# Altium PCB NUCLEOG431RB-Custom-IN-A2212.PcbDoc (part 1 of 5)
Units mm, origin at the board's own origin, x right, y up, seen from the top; angles counter-clockwise.
Board outline 170 x 108 mm, 4 copper layers (Top Layer, POWER1, POWER2, Bottom Layer), stack 1.746 mm thick; 529 components, 254 nets, 1242 pads, 583 vias.
Unrouted connection lines stored in the file: 26.
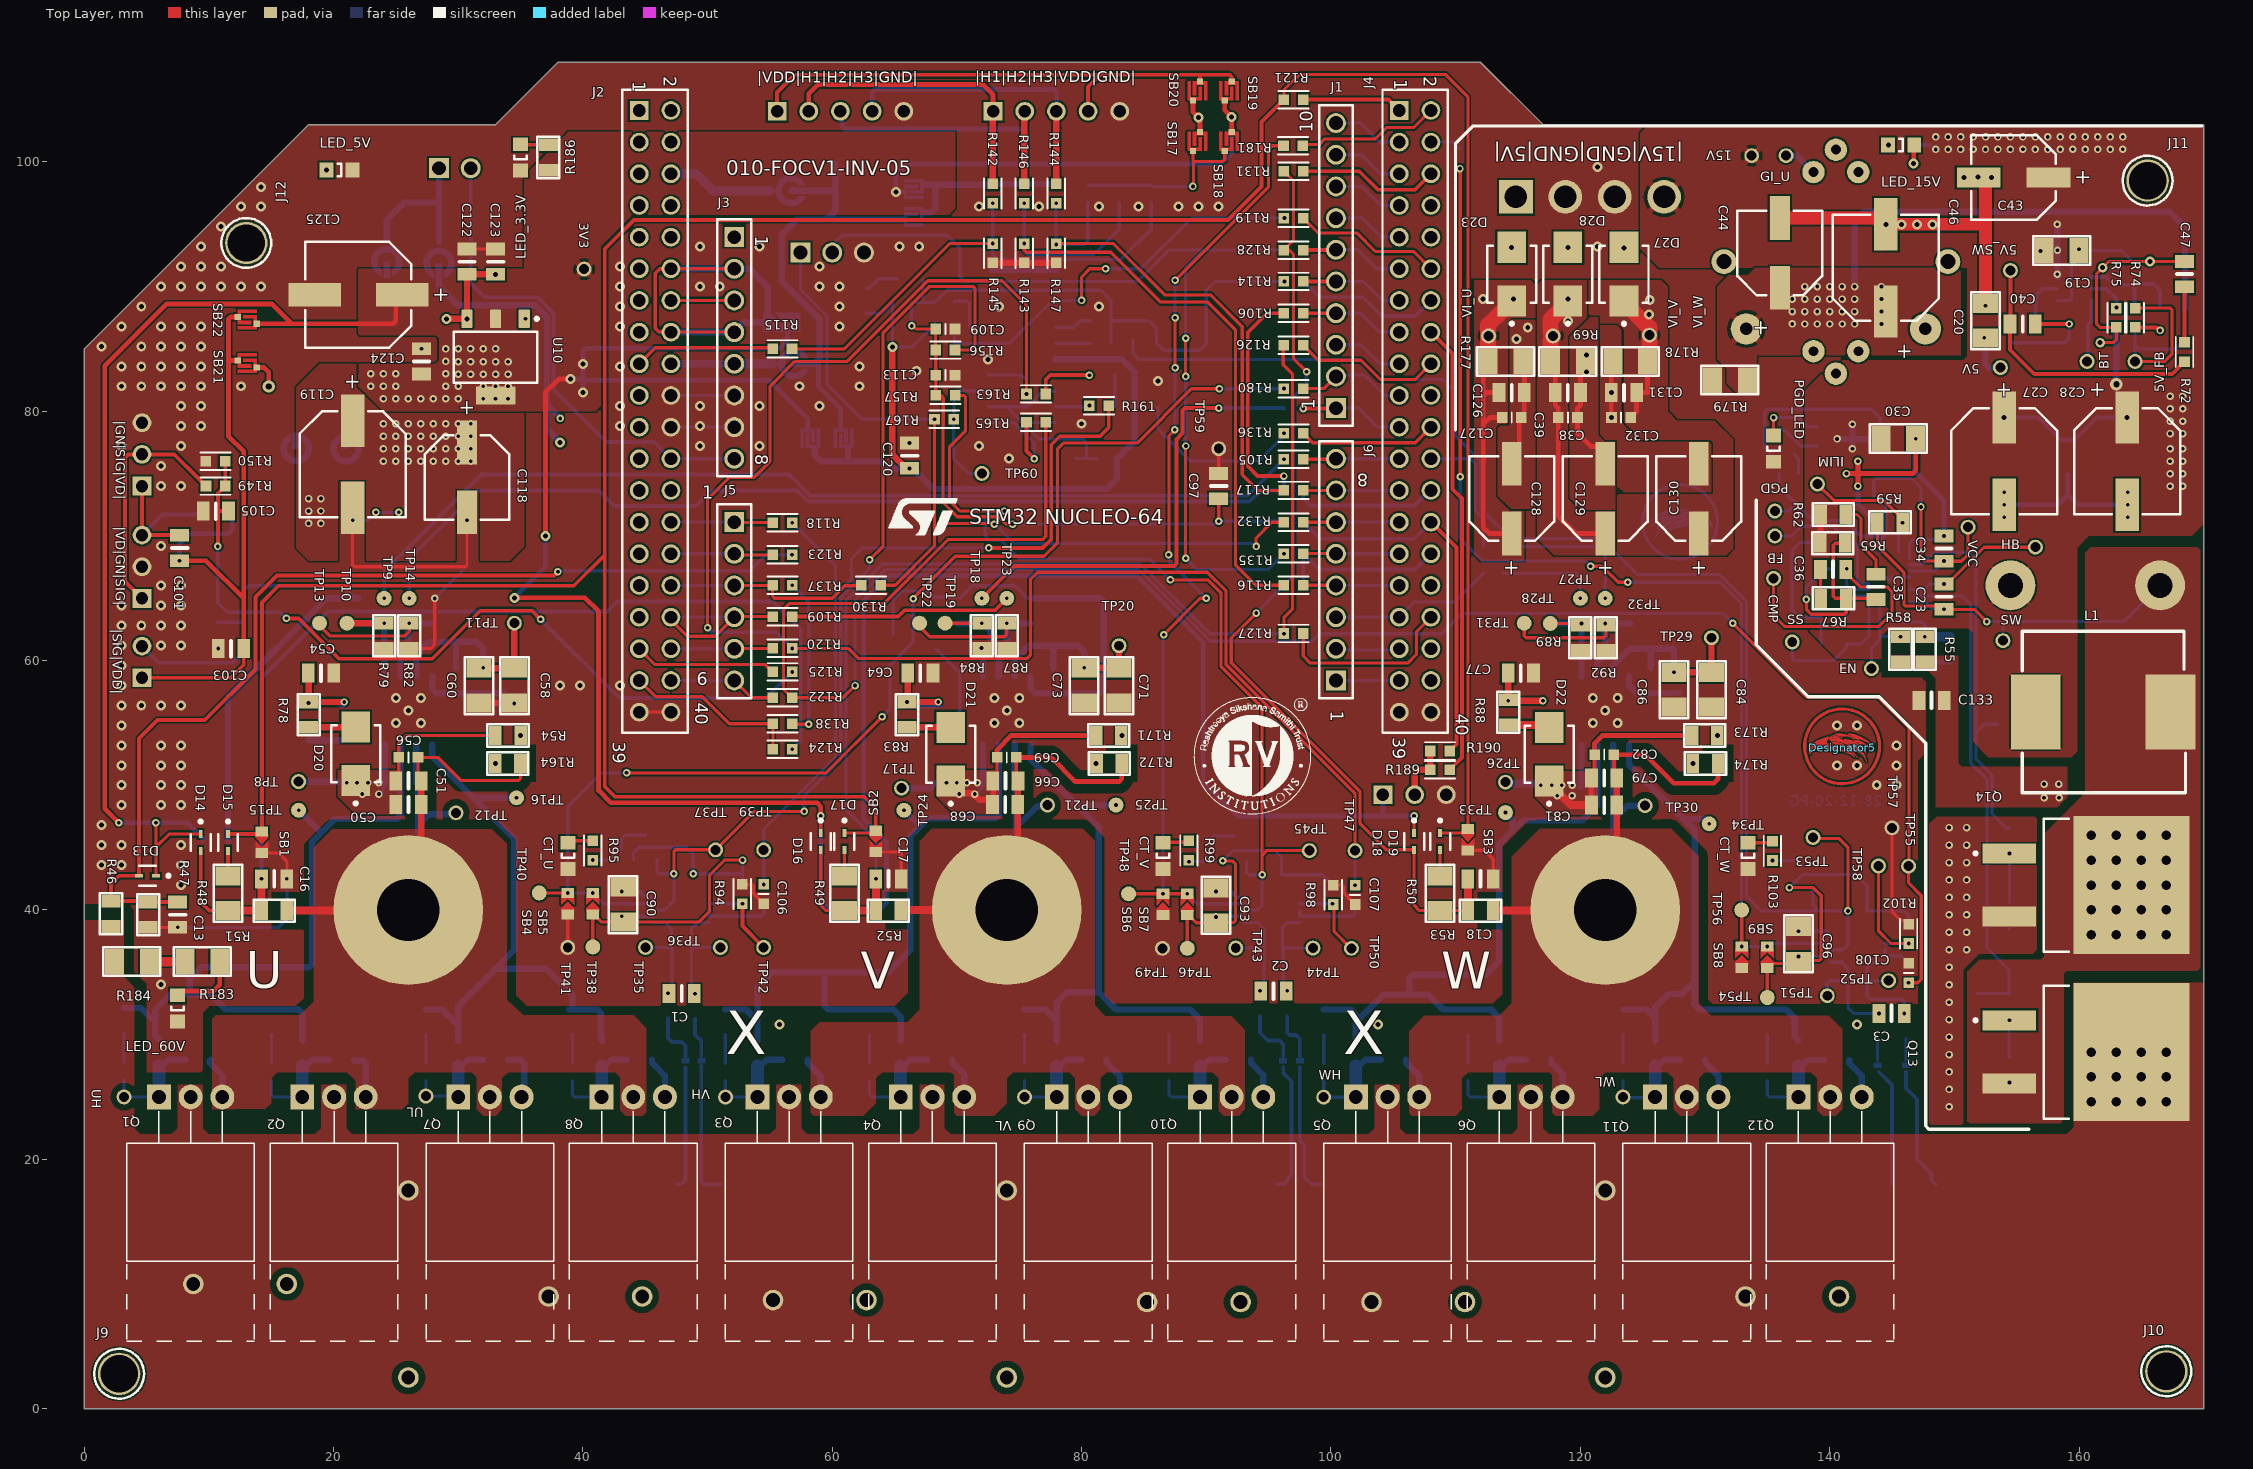
[diagram p0: Top Layer view]
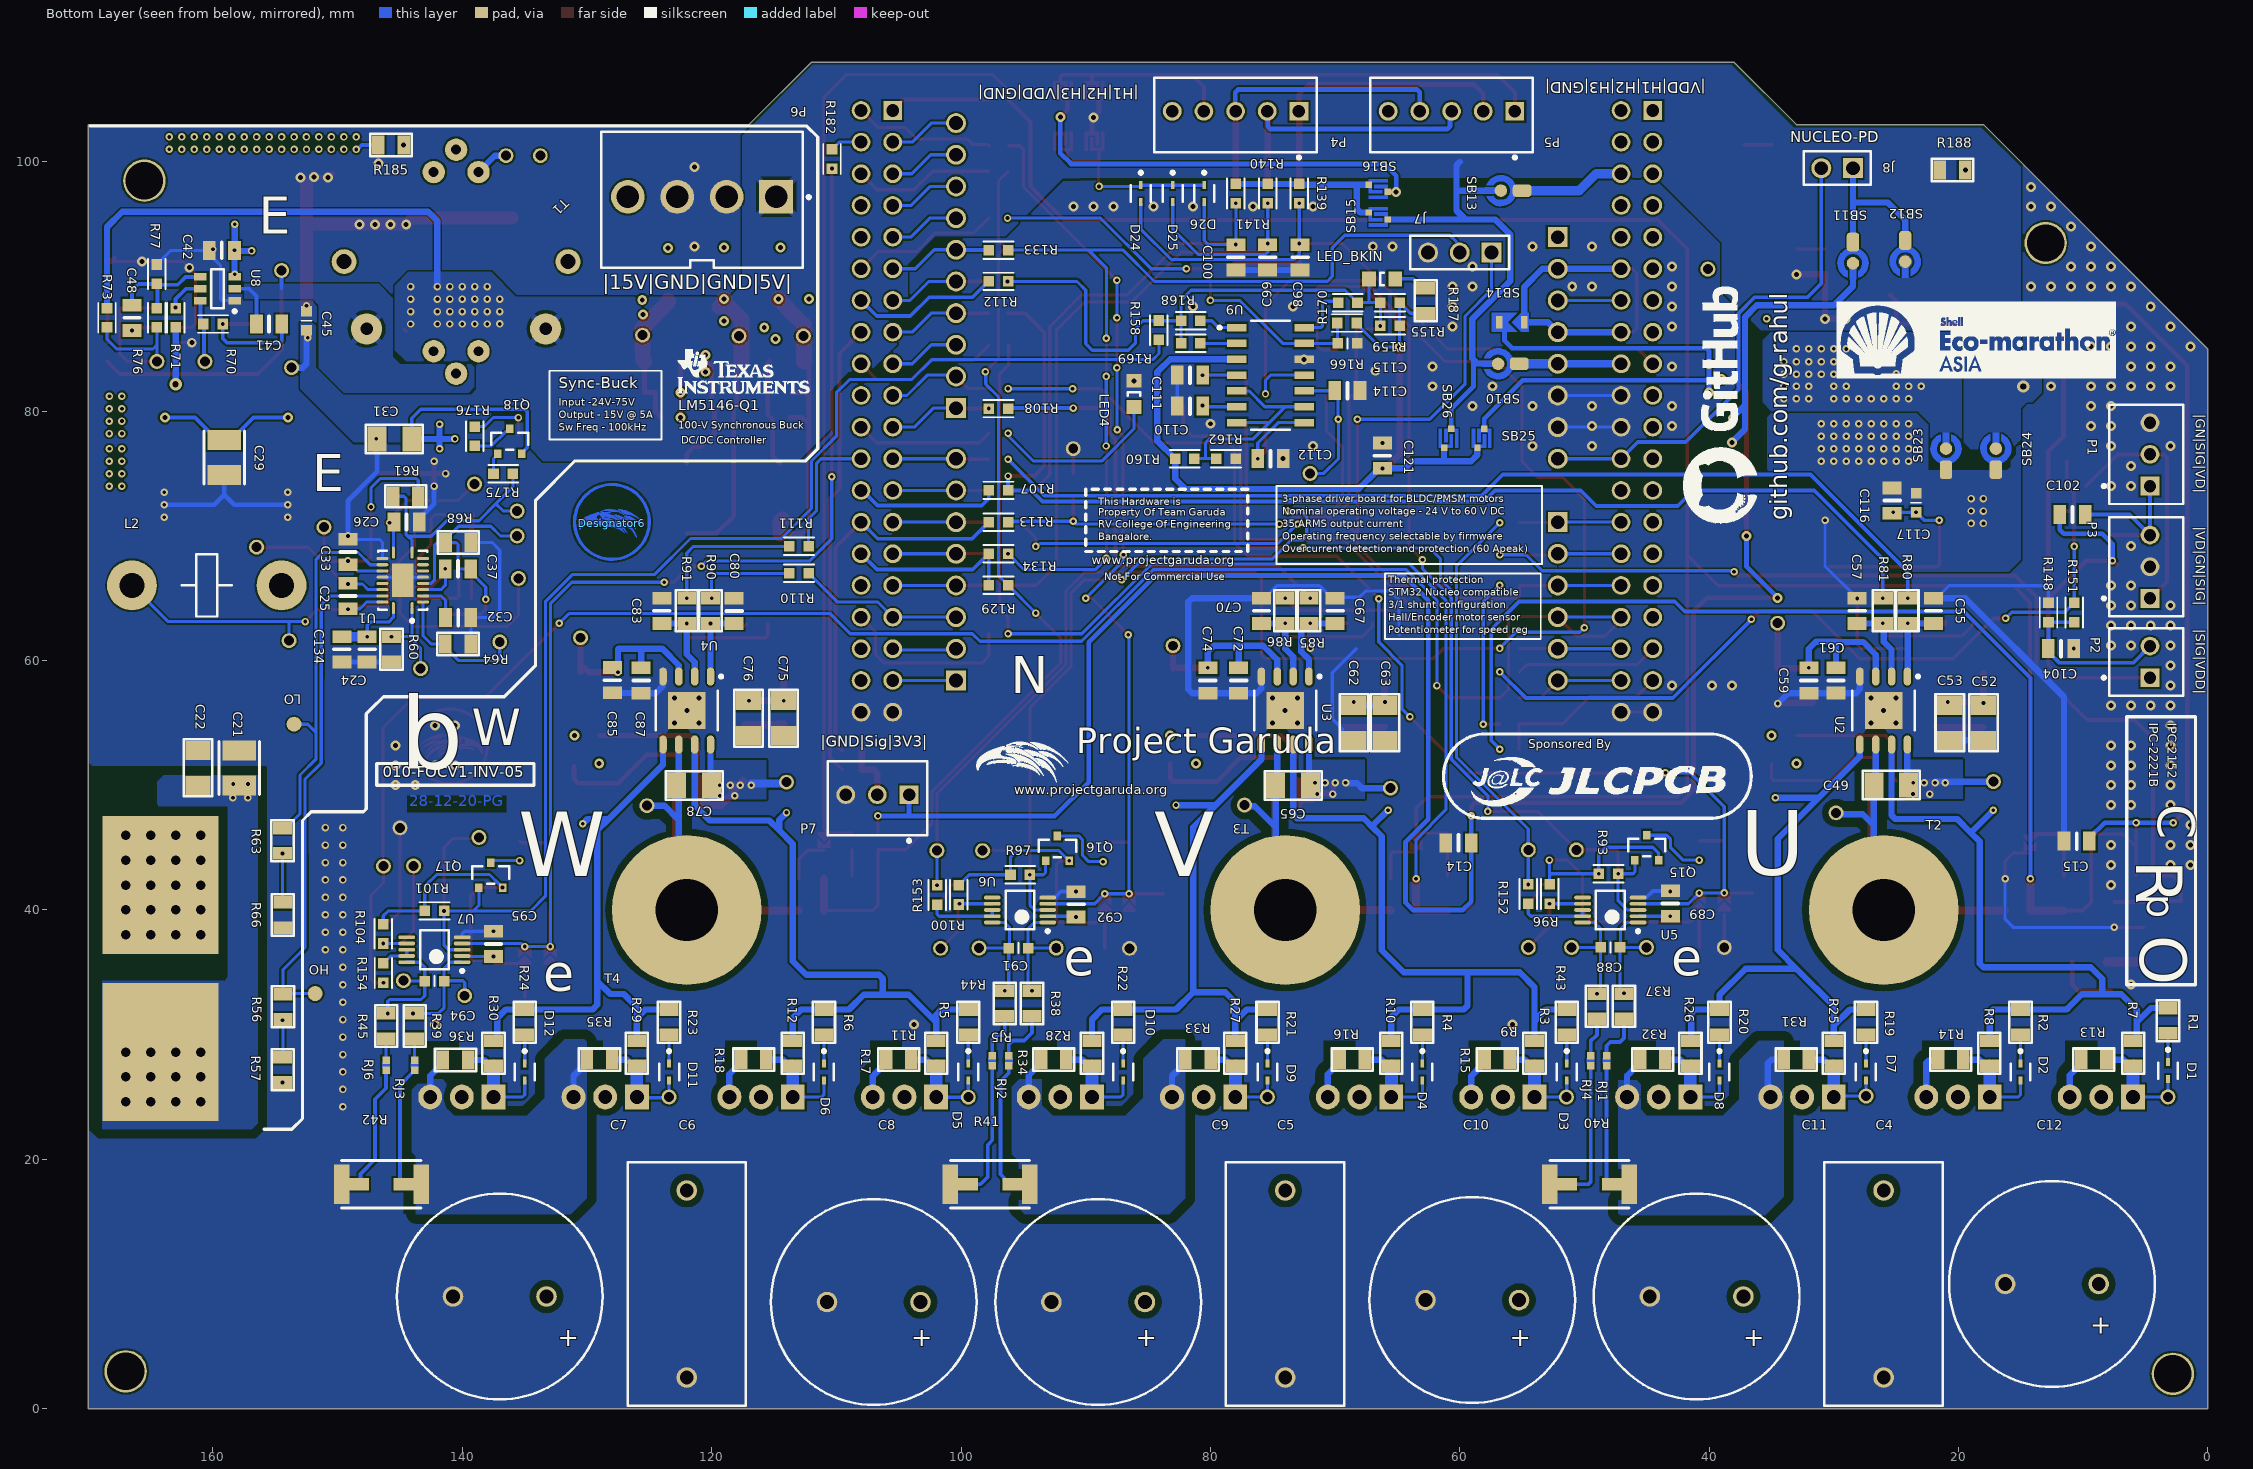
[diagram p1: Bottom Layer view, seen from below]
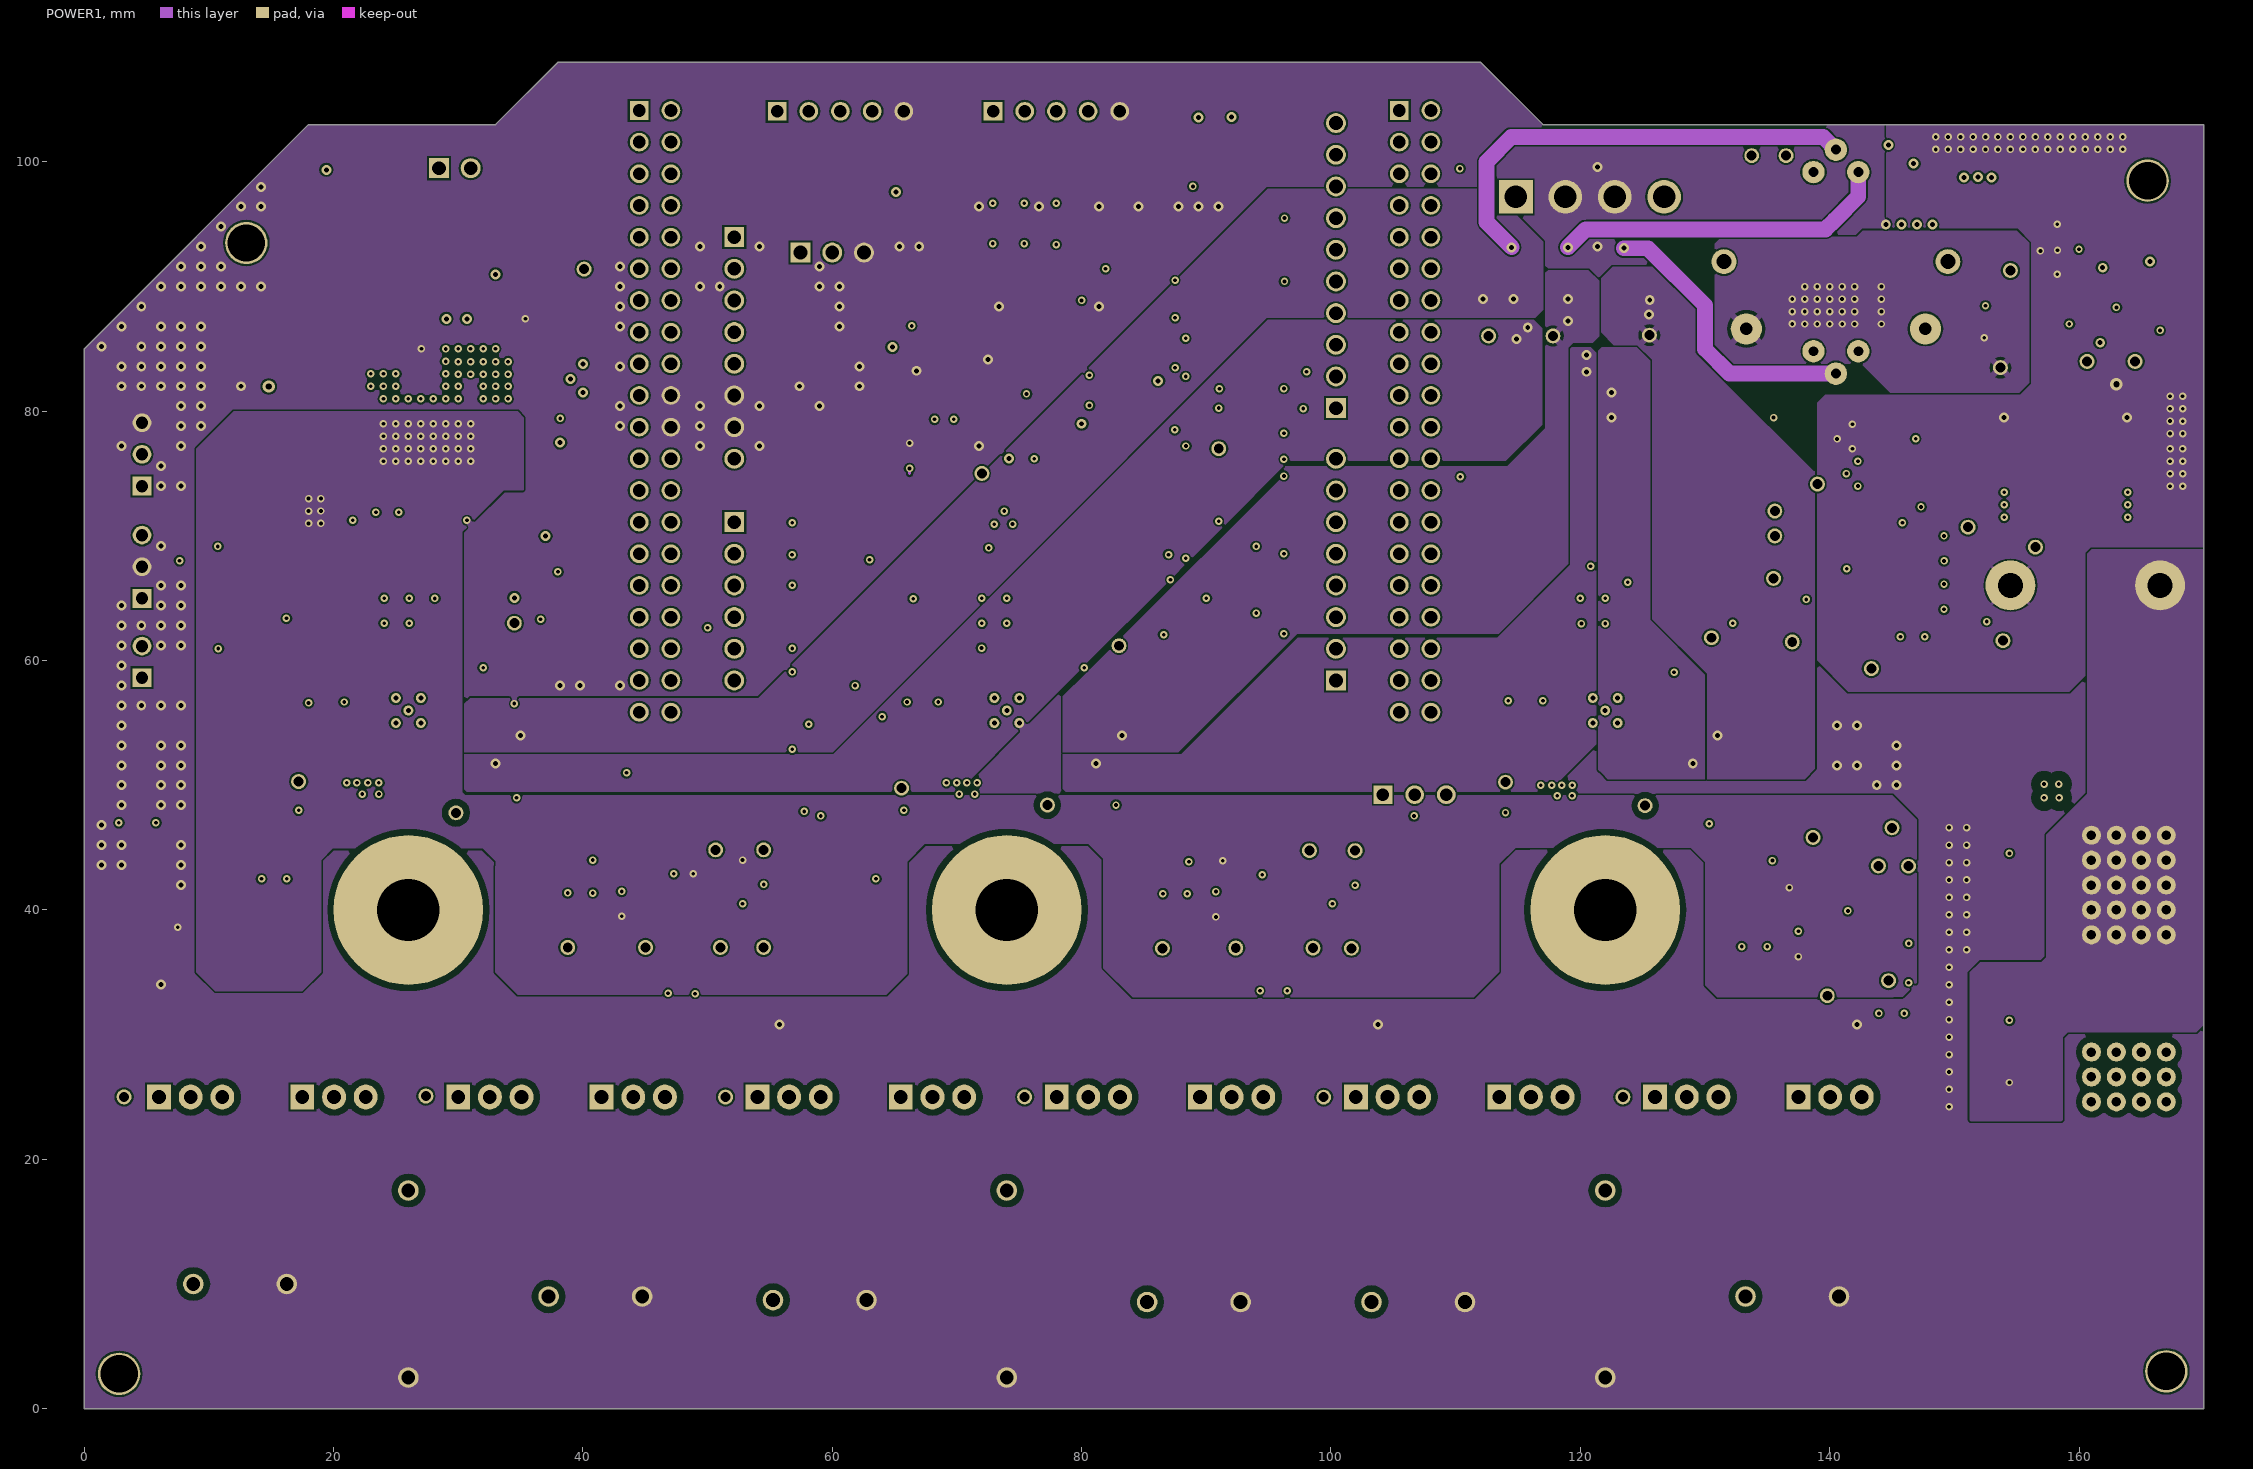
[diagram p2: POWER1]
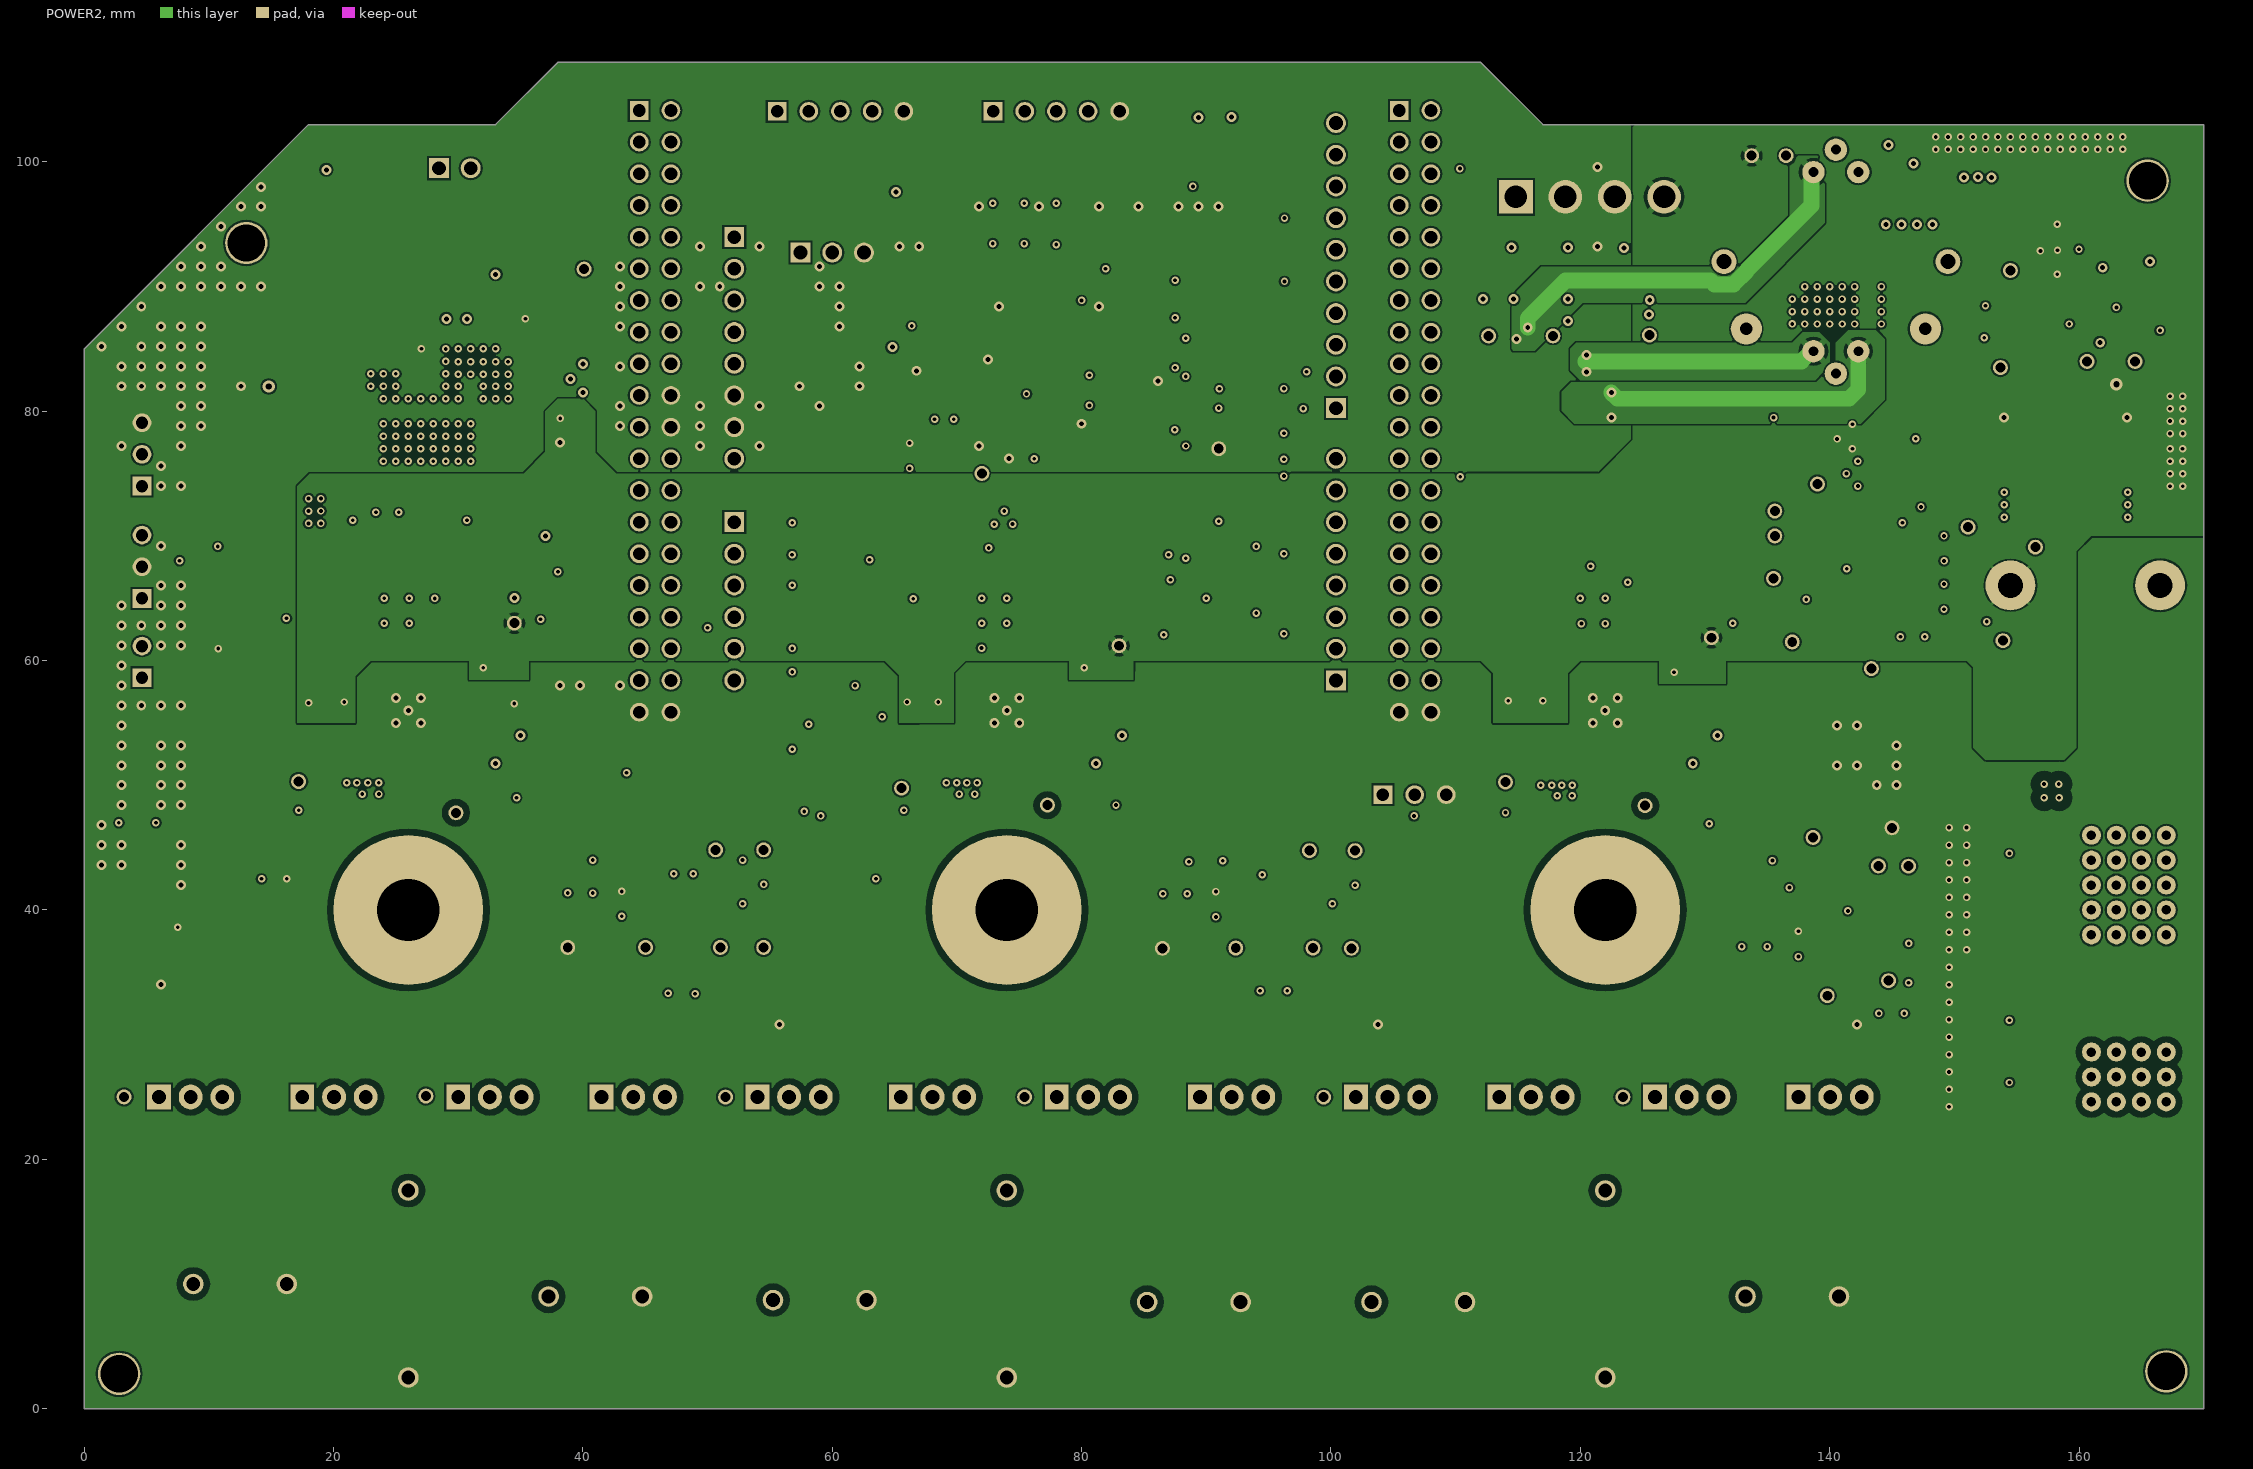
[diagram p3: POWER2]